# Allegro board SG2042_EVB_V2_0.brd (continued)
## Routing (per net, layer and track width the routed paths; a pad name or vN(x,y) marks a point on that pad's centre or on a via; arc(x,y) is an arc through that point) (continued)
GND_EARTH: length 26.9
  GND04 w0.254: J9.14 7.33,243.4 ; J9.14 5.65,241.72 ; J9.14 9.01,241.72 ; J9.14 7.33,240.05 ; 7.33,223.8 J9.13 ; J9.13 5.65,225.48 ; J9.13 9.01,225.48 ; J9.13 7.33,227.15
  GND13 w0.254: J9.14 7.33,243.4 ; J9.14 7.33,240.05 ; J9.14 5.65,241.72 ; J9.14 9.01,241.72 ; 7.33,223.8 J9.13 ; J9.13 5.65,225.48 ; J9.13 9.01,225.48 ; J9.13 7.33,227.15
  vias: v1(0.53,244.43) v1(0.53,243.16) v1(0.53,241.89) v1(0.53,240.62) v1(0.53,239.35) v1(0.53,238.08) v1(0.53,236.81) v1(0.53,235.54) v1(0.53,234.27) v1(0.53,233) v1(0.53,231.73) v1(0.53,230.46) v1(0.53,229.19) v1(0.53,227.92) v1(0.53,226.65) v1(0.53,225.38) v1(0.53,224.11) v1(7.34,248.16) v1(8.76,248.16) v1(11.15,248.16) v1(12.57,248.16) v1(13.31,224.28) v1(14.96,248.16) v1(15.11,226.09) v1(16.38,248.16) v1(16.92,227.89) v1(18.72,229.69) v1(18.77,248.16) v1(20.19,248.16) v1(20.52,231.5) v1(22.33,233.3) v1(24.13,245.26) v1(24.13,242.72) v1(24.13,235.1)
P5V_USB_REAR1: length 4
  TOP w0.254: 20.19,219.63 C5928.1 19.76,220.07
  ART14 w0.254: CON1100.10 14.63,218.13 ; CON1100.10 15.41,217.35 ; CON1100.10 13.85,217.35 ; CON1100.10 14.63,216.57
  vias: v1(19.76,221.06) v1(19.76,220.5) v1(20.32,221.06) v1(20.32,220.5)
P5V_USB_REAR2: length 4
  TOP w0.254: 19.76,224.36 C5933.1 20.19,223.93
  ART03 w0.254: 11.43,216.57 CON1100.1 ; CON1100.1 12.21,217.35 ; CON1100.1 11.43,218.13 ; CON1100.1 10.65,217.35
  vias: v1(19.76,225.35) v1(19.76,224.79) v1(20.32,225.35) v1(20.32,224.79)
P5V_USB_REAR3: length 4
  TOP w0.254: 19.76,202.16 C6042.1 20.19,201.73
  ART14 w0.254: CON1101.10 15.41,199.45 ; CON1101.10 13.85,199.45 ; CON1101.10 14.63,200.23 ; CON1101.10 14.63,198.67
  vias: v1(19.76,203.15) v1(19.76,202.59) v1(20.32,203.15) v1(20.32,202.59)
P5V_USB_REAR4: length 4
  TOP w0.254: 19.76,206.45 C6048.1 20.19,206.02
  ART03 w0.254: 10.65,199.45 CON1101.1 ; CON1101.1 12.21,199.45 ; CON1101.1 11.43,200.23 ; CON1101.1 11.43,198.67
  vias: v1(19.76,207.44) v1(19.76,206.88) v1(20.32,207.44) v1(20.32,206.88)
VBAT: length 4.3
  TOP w0.559: BT2000.1 U2001.3
VBUS2: length 4.6
  TOP w0.254: C1671.1 11.94,159.08 ; C1671.1 12.37,158.65 ; C1671.1 C1670.1 ; 12.85,159.49 U805.7 13.53,159.18 ; C1670.1 12.37,157.78 ; C1670.1 11.94,157.35 ; 14.2,158.51 U805.8 14.5,157.83
VCC33IN4: length 2.6
  TOP w0.254: U3237.3 v1(218.14,72.9) 217.6,72.9 R12553.2
  BOTTOM w0.381: C5838.1 218.14,72.9 v1(218.14,72.9)
VCC_SD: length 14.9
  TOP w0.254: C531.2 C532.2 C533.2 C534.2 C535.2 15.96,280.6 J8.4 ; C531.2 19.46,280.26 20.04,279.68 FB2.1 19.79,279.1 19.35,279.1 18.95,278.69 R48.1 ; C531.2 R45.1 20.35,283.64 R2127.1
VCCS: length 3.5
  TOP w0.203: U202.43 204.11,296.14
  TOP w0.254: 204.11,296.14 205.05,297.08 C3372.2 R2536.1
VDD_1V05: length 13.4
  TOP w0.254: v1(225.27,143.92) C5668.1 R12488.2 ; 214.22,145.39 R12486.1 213.79,144.96
  ART14 w0.203: v1(215.7,144.53) 217.2,146.02 219.99,146.02 222.1,143.92 v1(225.27,143.92)
  vias: v1(34.42,147.42) v1(34.98,147.42) v1(214.63,144.53) v1(215.16,144.53) v1(215.16,143.99) v1(215.7,143.99) v1(228.42,158.39) v1(228.42,157.84)
VDD_1V05_ASM: length 24.1
  TOP w0.254: v1(180.8,66.34) C5986.2 180.82,66.98 R12666.2
  ART05 w0.203: v1(180.8,66.34) 179.93,67.21 168.88,67.21 165.18,70.92 165.18,73.76 164.72,74.22 164.31,74.22 163.96,73.86 v1(163.96,73.23)
VDD_1V25: length 14.9
  TOP w0.254: R12674.2 C5999.1 v1(211.66,77.11) ; 210.21,66.04 R12672.1 210.64,65.61
  ART14 w0.203: v1(211.66,77.11) 209.52,74.98 209.52,67.28 210.34,66.47 v1(211.05,66.47)
VDD_2V5_ASM: length 13.4
  TOP w0.254: 131.85,82.6 R2582.1 132.28,83.03 ; R2584.2 C3510.1 v1(120.78,84.07)
  ART14 w0.203: v1(120.78,84.07) 123.95,84.07 126.06,81.97 128.85,81.97 v1(130.35,83.46)
  vias: v1(130.35,84) v1(130.89,84) v1(130.89,83.46) v1(131.42,84) v1(131.42,83.46)
VDD_3V3: length 383.9
  TOP w0.203: v1(204.88,296.21) 204.4,295.74 U202.42
  TOP w0.254: U2006.19 v1(214.44,123.9) ; R12738.2 v1(224.46,295.94) ; v1(224.74,126.9) C3283.2 223.28,126.29 223.03,126.03 U12.19 ; R12972.2 199.52,99.49 ; 199.52,99.49 R12963.1 ; 199.52,99.49 R12967.2 ; R12963.1 202.32,99.49 ; R12963.1 R12962.1 ; U3253.21 v1(114.58,69.22) ; v1(201.55,101.65) C6190.1 202.32,101.49 U3274.3 202.32,99.49 ; 40.49,227.71 40.03,227.71 ; 40.49,227.71 40.49,228.17 ; 40.49,227.71 40.95,227.71 ; U2003.19 42.23,249.91 42.48,250.16 C3287.2 v1(43.94,250.77) ; R12974.2 R12954.2 v1(181.03,113.08) ; R1306.2 R443.1 191.26,230.3 191.01,230.05 191.01,228.88 ; U3253.22 114.08,69.16 v1(114.02,69.22) ; R1305.2 R655.1 41.88,230.3 41.63,230.05 41.63,228.88 ; R12697.2 v1(111.73,71.25) ; v1(205.56,240.41) C3285.2 207.02,241.02 207.27,241.27 U807.19 ; 189.43,227.71 189.87,227.71 ; 189.87,227.71 190.3,227.71 ; 189.87,227.71 189.87,228.14 ; R12741.2 v1(206.65,12.24) ; U14.19 223.03,107.54 223.28,107.8 C3284.2 v1(224.74,108.41) ; v1(194.89,232.84) C3286.2 194.28,234.3 194.03,234.55 U806.19 ; R12698.2 v1(116.05,71.25) ; R12699.2 v1(115.19,71.25) ; R12744.2 v1(184.86,12.24) ; v1(43.94,236.6) C3289.1 42.48,235.99 42.23,235.74 U814.19 ; R12724.1 v1(226.87,98.5) ; 41.47,227.84 U56.10 41.82,228.42 ; R12560.1 v1(237.06,98.5) ; 191.2,228.42 U47.10 190.85,227.84 ; 202.32,99.49 U3274.6 ; R12571.1 v1(165.1,42.32) ; U2018.19 v1(214.44,105.41) ; R12929.2 v1(43.81,142.8) ; R12916.2 219.1,201.52 C6160.2 v1(219.74,201.5) ; R12975.2 v1(187.83,78.51) ; R12998.2 v1(192.91,120.7)
  TOP w0.381: C6213.1 199.21,80.16 198.83,79.78 U3275.7 ; C6213.1 v1(199.21,81.66) ; C6213.1 U3275.8 ; v1(198.75,120.62) C6233.2 C6234.2 196.36,120.02 X9.4 ; C3376.1 v1(204.88,296.21) ; R2545.1 v1(193.65,296.44)
  ART03 w0.381: v1(206.65,12.24) 207.34,12.93 207.34,50.77 214.88,58.32 v1(214.88,68.99) v1(214.88,69.55)
  ART03 w0.762: v1(214.45,187.66) 230.53,203.73 230.53,263.09 229.72,263.91 229.72,266.7 227.33,269.09 227.33,284.61 224.46,287.48 v1(224.46,295.94)
  ART05 w0.254: 228.3,103.83 J14.2 ; J14.2 227.35,104.78 ; J14.2 229.24,104.78 ; J14.2 228.3,105.72 ; 236.3,103.83 J17.2 ; J17.2 236.3,105.72 ; J17.2 235.36,104.78 ; J17.2 237.24,104.78
  ART05 w0.381: v1(206.65,12.24) 206.1,11.68 204.09,11.68 203.53,12.24 v1(184.86,12.24) ; v1(214.44,123.9) 224.31,123.9
  ART14 w0.203: v1(214.45,186.54) 215.72,186.54 216.1,186.92 216.1,187.48 220.62,192 220.62,201.9 220.24,202.29 218.64,202.29 218.41,202.06 218.41,201.63 218.54,201.5 v1(219.74,201.5)
  ART14 w0.381: v1(194.89,232.84) 195.55,232.18 201.52,232.18 204.9,235.56 204.9,239.75 v1(205.56,240.41)
  BOTTOM w0.254: R12680.2 R12679.2 R12682.2 R12681.2 R12684.2 R12683.2 v1(110.85,63.58) ; v1(117.81,62.71) R12690.2 R12689.2 R12692.2 R12691.2 R12694.2 R12693.2 ; v1(43.94,250.77) 43.94,250.27 R2190.2 R2191.2 R2192.2 R2193.2 R2194.2 R2195.2 R2196.2 R2197.2 ; R12686.2 R12685.2 R12688.2 R12687.2 v1(116.23,62.87)
  BOTTOM w0.381: R12971.2 v1(186.69,106.83) ; FB2044.2 v1(32.11,157.66) ; FB3.2 v1(35.56,271.53) ; v1(193.65,296.44) 197.18,292.91 202.84,292.91 203.61,293.67 203.61,294.94 v1(204.88,296.21) 205.61,295.48 224,295.48 v1(224.46,295.94) ; FB12.1 v1(103.68,106.22)
  vias: v1(39.29,228.57) v1(39.85,228.57) v1(159.59,77.04) v1(159.59,76.48) v1(165.51,50.9) v1(166.07,50.9) v1(166.07,50.34) v1(188.67,228.57) v1(189.23,228.57) v1(202.44,94.49) v1(202.44,93.93) v1(213.33,187.66) v1(213.33,187.1) v1(213.33,186.54) v1(213.89,187.66) v1(213.89,187.1) v1(213.89,186.54) v1(214.45,187.1) v1(225.83,168.53) v1(225.83,167.97)
VDD_5V: length 166.7
  TOP w0.229: 225.14,96.16 U3254.5 224.69,95.51 ; U3254.3 226.14,96.16 ; U3254.4 225.64,96.16
  TOP w0.254: R12734.2 v1(183.21,12.24) ; R12798.1 C6039.1 ; 210.73,73.01 U3252.1 ; C3162.1 224.89,265.51 ; C3162.1 224.46,265.07 ; C3162.1 224.89,264.64 ; R12859.1 v1(36.68,192.1) ; 212.98,101.22 C6217.1 ; C6217.1 212.55,101.65 ; C6217.1 212.98,102.08 ; U19.1 122.36,159.58 ; R12614.1 C5924.1 ; U2027.1 124.88,83.15 ; R12799.1 C6040.1 ; 165.99,107.67 C6229.1 ; C6229.1 166.42,108.1 ; C6229.1 165.56,108.1 ; U816.1 224.6,264.32 ; R12731.2 v1(205,12.24) ; 191.01,183.01 C6110.1 191.47,183.46 ; C5998.1 209.55,73.3 ; C5998.1 210.41,73.3 ; C5998.1 209.98,72.87 ; R307.2 v1(119.41,155.45) ; R354.2 v1(228.73,254.74) ; 124.59,82.83 C3509.1 ; C3509.1 124.59,81.97 ; C3509.1 125.02,82.4 ; R13020.1 C6240.1 ; 188.16,71.93 C5985.1 187.73,72.36 ; 225.58,97.08 C6014.1 226.01,96.65 ; R12485.2 v1(225.3,141.88) ; C1168.1 123.55,159.28 ; C1168.1 122.68,159.28 ; C1168.1 123.11,159.72 ; R12727.2 v1(226.11,295.94) ; v1(203.58,96.42) C6191.1 202.81,96.57 U3274.7 202.81,98.27 203.12,98.58 R12965.1 R12964.1 ; R12984.2 v1(176.28,82.65) ; R2198.1 224.94,226.31 225.2,226.57 225.2,229.36 224.94,229.62 U2004.5 ; 224.46,258.44 C1232.1 ; C1232.1 224.89,258.88 ; C1232.1 224.89,258.01 ; R12662.2 183.41,70.51 ; R1349.2 v1(228.73,261.37) ; 213.97,227.3 C1191.1 214.4,227.74 ; U3277.1 180.41,79.69 ; R674.2 113.64,145.29 ; R13017.1 C6236.1 ; U31.1 224.6,257.69 ; R341.2 v1(125.6,149.99) ; C1218.1 129.74,153.82 ; C1218.1 128.88,153.82 ; C1218.1 129.31,154.25 ; 43.18,183.46 C6150.1 42.72,183.01 ; 180.11,79.38 C6223.1 ; C6223.1 180.11,78.51 ; C6223.1 180.54,78.94 ; R12978.2 v1(216.81,97.94) ; R12834.1 C6100.1 ; R12925.2 v1(45.47,142.8) ; 221.03,145.59 C5667.1 ; C5667.1 221.46,145.16 ; C5667.1 221.46,146.03 ; 214.15,208.86 C6159.1 213.72,208.43 ; U3276.1 212.69,100.9 ; R12846.1 v1(186.18,192.1) ; R12615.1 C5925.1 ; R2580.2 v1(120.75,86.11) ; 44.55,182.58 R12865.1 ; R12912.2 215.57,204.11 ; R13023.1 C6244.1 ; 192.84,182.58 R12839.1 ; U28.1 128.56,154.12 ; v1(213.69,77.14) R12671.2 ; R12990.2 v1(169.7,111.94) ; U3234.1 221.17,144.84 ; 115.49,140.97 C1561.1 115.06,140.54 ; U3278.1 166.74,107.81
  TOP w0.381: U3261.5 229.04,143.34 C6100.1 v1(229.64,143.33) ; v1(31.65,181.48) C6240.1 31.64,180.88 U3280.5 ; U3244.5 28.62,225.49 C5925.1 v1(28.63,226.09) ; v1(31.65,185.78) C6244.1 31.64,185.18 U3281.5 ; U3279.5 31.64,189.47 C6236.1 v1(31.65,190.07) ; U2001.8 C2010.1 v1(18.69,70.43) ; v1(28.63,203.89) C6039.1 28.62,203.29 U3256.5 ; U3257.5 28.62,207.58 C6040.1 v1(28.63,208.18) ; v1(28.63,221.79) C5924.1 28.62,221.19 U3243.5
  ART03 w0.406: v1(18.69,70.43) 18.69,112.67 20.7,114.68 20.7,118.03 v1(45.47,142.8)
  vias: v1(43.99,185.88) v1(43.99,185.34) v1(43.99,183.49) v1(43.99,182.96) v1(44.53,185.88) v1(44.53,185.34) v1(44.53,183.49) v1(44.53,182.96) v1(86.87,298.27) v1(86.87,297.66) v1(87.48,298.27) v1(97.1,298.27) v1(97.1,297.66) v1(97.71,298.27) v1(107.34,298.27) v1(107.34,297.66) v1(107.67,142.8) v1(107.95,298.27) v1(108.28,143.41) v1(108.28,142.8) v1(113.67,141.1) v1(113.67,140.54) v1(114.22,141.1) v1(114.22,140.54) v1(117.58,298.27) v1(117.58,297.66) v1(118.19,298.27) v1(124.03,160.55) v1(124.84,160.55) v1(125.86,81.48) v1(125.86,80.67) v1(127.81,298.27) v1(127.81,297.66) v1(128.42,298.27) v1(130.23,155.09) v1(131.04,155.09) v1(138.05,298.27) v1(138.05,297.66) v1(138.66,298.27) v1(164.26,106.83) v1(165.07,106.83) v1(181.38,78.03) v1(181.38,77.22) v1(187.6,71.09) v1(187.6,70.54) v1(188.16,71.09) v1(188.16,70.54) v1(192.28,183.49) v1(192.28,182.96) v1(192.81,183.49) v1(192.81,182.96) v1(193.5,185.88) v1(193.5,185.34) v1(194.03,185.88) v1(194.03,185.34) v1(208.25,72.03) v1(209.07,72.03) v1(211.71,103.38) v1(211.71,102.57) v1(214.63,226.87) v1(214.63,226.31) v1(214.63,225.76) v1(214.99,208.86) v1(214.99,208.31) v1(215.19,226.87) v1(215.19,226.31) v1(215.19,225.76) v1(215.19,225.2) v1(215.54,208.86) v1(215.54,208.31) v1(215.75,226.87) v1(215.75,226.31) v1(215.75,225.76) v1(215.75,225.2) v1(216.31,226.87) v1(216.31,226.31) v1(216.31,225.76) v1(216.31,225.2) v1(220.19,147.32) v1(220.19,146.51) v1(223.62,266.8) v1(223.62,265.99) v1(223.62,260.17) v1(223.62,259.36) v1(224.66,97.1) v1(224.66,96.55) v1(225.22,97.1) v1(225.22,96.55)
VDD_12V: length 38.4
  TOP w0.254: J3.1 52.05,284.38 ; J3.1 51.39,285.04 ; J3.1 50.73,284.38 ; J3.145 55.85,284.38 ; J3.145 55.19,285.04 ; J3.145 54.53,284.38 ; v1(133.31,297.9) 133.04,297.9 132.61,298.33 U3266.27 ; 167.31,285.04 J2.1 167.97,284.38 ; J4.1 60.79,285.04 ; J4.1 60.13,284.38 ; J4.1 61.45,284.38 ; v1(102.6,297.9) 102.33,297.9 101.9,298.33 U3263.27 ; U3265.27 122.37,298.33 122.8,297.9 v1(123.07,297.9) ; 176.05,284.38 J1.1 ; J1.1 177.37,284.38 ; J1.1 176.71,285.04 ; U3262.27 91.66,298.33 92.09,297.9 v1(92.36,297.9) ; U3268.27 103.49,142.74 103.05,143.17 v1(102.79,143.17) ; C40.1 174.7,284.58 ; C40.1 175.13,284.15 ; C40.1 174.27,284.15 ; J1.145 180.51,285.04 ; J1.145 181.17,284.38 ; J1.145 179.85,284.38 ; 217.75,235.71 C1186.1 218.19,235.28 ; J2.145 171.77,284.38 ; J2.145 171.11,285.04 ; J2.145 170.45,284.38 ; U3267.27 142.84,298.33 143.27,297.9 v1(143.54,297.9) ; 49.12,284.15 C60.1 ; C60.1 49.56,284.58 ; C60.1 49.99,284.15 ; C20.1 183.95,284.58 ; C20.1 183.51,284.15 ; C20.1 184.38,284.15 ; R2393.1 224.54,236.7 225.15,236.09 U2005.5 ; 63.93,284.38 J4.145 64.59,285.04 ; v1(112.83,297.9) 112.57,297.9 112.13,298.33 U3264.27 ; C80.1 58.78,284.58 ; C80.1 58.34,284.15 ; C80.1 59.21,284.15
  TOP w0.381: R2538.2 v1(191.87,293.32)
  vias: v1(48.9,285.42) v1(49.3,285.83) v1(91.7,298.25) v1(91.7,297.54) v1(93.02,298.25) v1(93.02,297.54) v1(93.85,299.57) v1(93.85,299.01) v1(94.41,299.57) v1(94.41,299.01) v1(94.41,298.45) v1(94.41,297.89) v1(100.74,143.18) v1(100.74,142.62) v1(100.74,142.06) v1(100.74,141.5) v1(101.3,142.06) v1(101.3,141.5) v1(101.94,298.25) v1(101.94,297.54) v1(102.13,143.53) v1(102.13,142.82) v1(103.26,298.25) v1(103.26,297.54) v1(103.45,143.53) v1(103.45,142.82) v1(104.09,299.57) v1(104.09,299.01) v1(104.65,299.57) v1(104.65,299.01) v1(104.65,298.45) v1(104.65,297.89) v1(112.17,298.25) v1(112.17,297.54) v1(113.49,298.25) v1(113.49,297.54) v1(114.33,299.57) v1(114.33,299.01) v1(114.88,299.57) v1(114.88,299.01) v1(114.88,298.45) v1(114.88,297.89) v1(122.41,298.25) v1(122.41,297.54) v1(123.73,298.25) v1(123.73,297.54) v1(124.56,299.57) v1(124.56,299.01) v1(125.12,299.57) v1(125.12,299.01) v1(125.12,298.45) v1(125.12,297.89) v1(132.64,298.25) v1(132.64,297.54) v1(133.97,298.25) v1(133.97,297.54) v1(134.8,299.57) v1(134.8,299.01) v1(135.36,299.57) v1(135.36,299.01) v1(135.36,298.45) v1(135.36,297.89) v1(142.88,298.25) v1(142.88,297.54) v1(144.2,298.25) v1(144.2,297.54) v1(145.03,299.57) v1(145.03,299.01) v1(145.59,299.57) v1(145.59,299.01) v1(145.59,298.45) v1(145.59,297.89) v1(183.16,284.76) v1(183.16,284.2) v1(183.72,284.76) v1(184.28,284.76) v1(218.03,236.52) v1(218.59,237.08) v1(218.59,236.52) v1(219.15,237.64) v1(219.15,237.08) v1(219.15,236.52) v1(219.71,238.2) v1(219.71,237.64) v1(219.71,237.08) v1(219.71,236.52) v1(220.27,238.76) v1(220.27,238.2) v1(220.27,237.64) v1(220.27,237.08) v1(220.27,236.52)
VDD_HDMI_5V: length 1.3
  TOP w0.254: 22.35,187.91 C6239.1 ; C6239.1 23.22,187.91 ; C6239.1 22.78,188.34
VDD_MCU: length 36.9
  TOP w0.254: U2009.75 132.41,41.64 v1(132.44,41.66) ; R2442.2 v1(135.76,44.7) ; U2009.100 117.72,44.32 v1(117.7,44.35) ; U2009.6 v1(115.01,39.14) ; v1(129.75,26.92) 129.72,26.95 U2009.50 ; R12771.2 v1(129.13,12.17) ; v1(115.01,36.61) 115.04,36.64 U2009.11 ; R2021.1 v1(137.72,25.02) ; R12768.2 v1(118.92,12.17) ; R12760.2 v1(113.61,11.3) ; v1(118.75,26.92) 118.72,26.95 U2009.28 ; U11.1 132.83,22.42 C584.2 v1(132.54,21.51) ; R12769.2 v1(122.33,12.17) ; R12770.2 v1(125.73,12.17) ; R12761.2 v1(106.81,11.3) ; R2440.2 v1(113.13,37.34) ; R12763.2 v1(103.4,11.3) ; R12762.2 v1(110.21,11.3) ; 127.08,48.64 v1(126.47,48.64)
  BOTTOM w0.254: R12677.1 v1(134.34,39.27) ; 117.12,43.71 C3253.2 117.58,44.23 v1(117.7,44.35) 117.58,44.47 C3252.2 117.12,44.96 ; R2037.1 v1(118.59,30.86) ; v1(121.82,25.02) R12746.2 R12750.2 R12754.2 R12758.2 ; R2341.2 v1(119.86,42.29) ; C3254.2 132.31,41.78 v1(132.44,41.66) 132.56,41.78 C3255.2 ; C3258.2 118.87,27.05 v1(118.75,26.92) 118.87,26.8 C3259.2 ; v1(115.01,39.14) 115.02,39.14 C3261.2 ; R2094.1 R2093.1 v1(120.98,46.25) ; R2535.1 R2556.1 v1(134.34,27.69) ; C3256.2 129.87,27.05 v1(129.75,26.92) 129.87,26.8 C3257.2 130.2,25.98 R483.1 R484.1 ; R2491.1 v1(133.73,30.89) ; R2342.2 v1(124.08,28.98) ; C3260.2 115.15,36.47 v1(115.01,36.61) ; R2340.2 v1(117.07,34.24)
  BOTTOM w0.381: TP34.1 v1(137.72,25.02) ; FB2015.1 v1(116.48,44.2) ; FB2014.1 v1(117.5,32.92)
VDD_PCIE0_12V: length 8.1
  TOP w0.254: 47.7,74.75 C3315.2 ; C3315.2 47.27,75.18 ; C3315.2 47.7,75.62
  TOP w0.686: J2046.B2 46.6,76.62 ; J2046.A3 47.6,86.54 ; J2046.B3 47.6,76.62 ; J2046.B1 45.6,76.62 ; J2046.A2 46.6,86.54
  vias: v1(45.97,88.39) v1(45.97,87.83) v1(45.97,75.74) v1(45.97,75.18) v1(46.53,88.39) v1(46.53,87.83) v1(46.53,75.74) v1(46.53,75.18) v1(47.09,88.39) v1(47.09,87.83) v1(47.09,75.74) v1(47.09,75.18)
VDD_PCIE1_12V: length 8.1
  TOP w0.254: C3308.2 47.7,116.76 ; C3308.2 47.7,115.9 ; C3308.2 47.27,116.33
  TOP w0.686: J1104.B3 47.6,117.26 ; J1104.B2 46.6,117.26 ; J1104.A3 47.6,127.18 ; J1104.A2 46.6,127.18 ; J1104.B1 45.6,117.26
  vias: v1(45.97,128.91) v1(45.97,128.35) v1(45.97,116.89) v1(45.97,116.33) v1(46.53,128.91) v1(46.53,128.35) v1(46.53,116.89) v1(46.53,116.33) v1(47.09,128.91) v1(47.09,128.35) v1(47.09,116.89) v1(47.09,116.33)
VDD_PCIE_C_0V8:
  vias: v1(104.25,203.55) v1(105.25,204.55) v1(106.25,203.55) v1(107.25,204.55) v1(108.25,203.55) v1(109.25,204.55) v1(110.25,203.55) v1(111.25,204.55) v1(112.25,203.55) v1(113.25,204.55) v1(114.25,203.55) v1(114.35,170.74) v1(114.91,170.74) v1(115.25,204.55) v1(115.47,170.74) v1(116.03,170.74) v1(116.25,203.55) v1(116.59,170.74) v1(117.14,170.74) v1(117.25,204.55) v1(118.25,203.55) v1(119.25,204.55) v1(120.25,203.55) v1(121.25,204.55) v1(122.25,203.55) v1(123.25,204.55) v1(124.25,203.55) v1(125.25,204.55) v1(126.25,203.55) v1(127.25,204.55) v1(128.25,203.55) v1(129.25,204.55) v1(130.25,203.55)
VDD_PCIE_D_0V8: length 5.7
  TOP w0.381: v1(112.25,205.55) U1.BC25 v1(114.25,205.55) U1.BC27 v1(116.25,205.55)
  vias: v1(104.25,205.55) v1(106.25,205.55) v1(108.25,205.55) v1(109.25,208.55) v1(109.25,206.55) v1(110.25,207.55) v1(110.25,205.55) v1(110.24,171.3) v1(110.79,171.3) v1(110.79,170.74) v1(111.25,208.55) v1(111.25,206.55) v1(111.35,171.3) v1(111.35,170.74) v1(111.91,171.3) v1(111.91,170.74) v1(112.47,171.3) v1(112.47,170.74) v1(117.25,206.55) v1(118.25,205.55) v1(119.25,206.55) v1(120.25,207.55) v1(120.25,205.55) v1(121.25,208.55) v1(121.25,206.55) v1(122.25,207.55) v1(122.25,205.55) v1(123.25,208.55) v1(123.25,206.55) v1(124.25,207.55) v1(124.25,205.55) v1(125.25,206.55) v1(126.25,205.55) v1(128.25,205.55) v1(130.25,205.55)
VDD_PCIE_H_1V8: length 12.5
  TOP w0.254: R344.2 C1220.1 v1(127.64,150.01)
  ART14 w0.203: v1(128.24,159.59) 129.74,158.09 129.74,155.3 127.64,153.19 v1(127.64,150.01)
  vias: v1(103.25,202.55) v1(105.25,202.55) v1(107.25,202.55) v1(109.25,202.55) v1(111.25,202.55) v1(113.25,202.55) v1(115.25,202.55) v1(117.25,202.55) v1(119.25,202.55) v1(121.25,202.55) v1(123.25,202.55) v1(125.25,202.55) v1(127.25,202.55) v1(127.71,160.66) v1(127.71,160.12) v1(127.71,159.59) v1(128.24,160.66) v1(128.24,160.12) v1(129.25,202.55) v1(131.25,202.55)
VDD_PLL_0V8: length 16.8
  TOP w0.254: 120.85,168.66 FB11.1 ; FB11.1 120.42,169.09 ; FB11.1 121.29,169.09 ; 118.82,168.66 FB10.1 119.25,169.09 ; v1(121.44,155.47) C1170.1 R311.2 ; C1172.2 122.78,165.33
  ART14 w0.203: v1(121.44,155.47) 121.44,158.65 123.55,160.76 123.55,163.55 v1(122.05,165.05)
  BOTTOM w0.381: FB7.1 v1(130.75,223.05) ; FB9.1 v1(102.75,223.05)
  vias: v1(121.51,166.12) v1(121.51,165.58) v1(121.51,165.05) v1(122.05,166.12) v1(122.05,165.58)
VDD_SENSE_N: length 51.8
  BOTTOM w0.102: v1(116.25,220.55) 116.86,221.16 116.86,240.59 116.94,240.66 116.94,240.7
  BOTTOM w0.254: 116.94,240.7 116.94,264.74 121.21,269.01 121.21,269.93 R2531.2
VDD_SENSE_P: length 50.6
  BOTTOM w0.102: v1(116.25,221.55) 116.64,221.94 116.64,240.59 116.56,240.66 116.56,240.7
  BOTTOM w0.254: R2533.2 120.8,269.93 120.8,269.14 116.56,264.9 116.56,240.7
VDD_U1_5V: length 1.3
  TOP w0.254: C6243.1 22.78,179.76 ; C6243.1 22.35,179.32 ; C6243.1 23.22,179.32
VDD_U2_5V: length 1.3
  TOP w0.254: C6247.1 22.78,184.05 ; C6247.1 22.35,183.62 ; C6247.1 23.22,183.62
VDDA_MCU: length 3.9
  TOP w0.254: U2009.22 115.27,31.14 v1(115.01,31.39) 115.25,31.64 U2009.21
  BOTTOM w0.381: FB2014.2 C3262.2 v1(115.01,31.39)
VDDC: length 9.4
  TOP w0.254: P_VDDC.1 v1(119.96,271.78) ; U1.AD16 v1(105.14,226.99)
  TOP w0.381: U1.AA41 v1(128.36,228.11) ; U1.AM16 v1(105.14,216.63) ; U1.AD16 v1(105.14,224.4) U1.AF16 ; U1.AE41 v1(128.36,225.52)
  BOTTOM w0.254: R2534.2 v1(119.96,271.78)
  vias: v1(90.04,280.06) v1(90.04,279.5) v1(90.04,278.94) v1(90.04,278.38) v1(90.6,280.06) v1(90.6,279.5) v1(90.6,278.94) v1(90.6,278.38) v1(90.6,277.83) v1(91.16,280.06) v1(91.16,279.5) v1(91.16,278.94) v1(91.16,278.38) v1(91.16,277.83) v1(91.16,277.27) v1(91.72,280.06) v1(91.72,279.5) v1(91.72,278.94) v1(91.72,278.38) v1(91.72,277.83) v1(91.72,277.27) v1(91.72,276.71) v1(92.28,280.06) v1(92.28,279.5) v1(92.28,278.94) v1(92.28,278.38) v1(92.28,277.83) v1(92.28,277.27) v1(92.28,276.71) v1(92.84,280.06) v1(92.84,279.5) v1(92.84,278.94) v1(92.84,278.38) v1(92.84,277.83) v1(92.84,277.27) v1(92.84,276.71) v1(97.56,276.07) v1(97.56,275.51) v1(97.56,274.95) v1(97.56,274.4) v1(97.56,273.84) v1(98.58,273.15) v1(99.14,273.15) v1(99.72,280.06) v1(99.72,279.5) v1(99.72,278.94) v1(99.72,278.38) v1(99.72,277.83) v1(99.69,273.15) v1(100.28,280.06) v1(100.28,279.5) v1(100.28,278.94) v1(100.28,278.38) v1(100.28,277.83) v1(100.84,280.06) v1(100.84,279.5) v1(100.84,278.94) v1(100.84,278.38) v1(100.84,277.83) v1(100.89,270.97) v1(100.89,270.41) v1(100.89,269.85) v1(100.89,269.29) v1(100.89,268.73) v1(101.4,280.06) v1(101.4,279.5) v1(101.4,278.94) v1(101.4,278.38) v1(101.4,277.83) v1(101.9,271.65) v1(101.96,280.06) v1(101.96,279.5) v1(101.96,278.94) v1(101.96,278.38) v1(101.96,277.83) v1(102.51,280.06) v1(102.51,279.5) v1(102.51,278.94) v1(102.51,278.38) v1(102.51,277.83) v1(102.46,271.65) v1(103.02,271.65) v1(103.07,280.06) v1(103.07,279.5) v1(103.07,278.94) v1(103.07,278.38) v1(103.07,277.83) v1(104.25,239.55) v1(104.25,237.55) v1(104.25,235.55) v1(104.25,233.55) v1(104.25,231.55) v1(104.25,229.55) v1(104.25,215.55) v1(104.25,213.55) v1(104.25,211.55) v1(104.25,209.55) v1(104.25,207.55) v1(105.14,232.18) v1(105.14,229.58) v1(105.14,221.81) v1(105.14,219.22) v1(105.14,214.04) v1(105.14,211.45) v1(105.25,238.55) v1(105.25,236.55) v1(105.25,234.55) v1(105.25,208.55) v1(105.25,206.55) v1(105.54,231.82) v1(105.54,229.23) v1(105.54,226.64) v1(105.54,224.05) v1(105.54,221.46) v1(105.54,218.87) v1(105.54,216.27) v1(105.54,213.68) v1(105.54,211.09) v1(106.25,239.55) v1(106.25,237.55) v1(106.25,235.55) v1(106.25,233.55) v1(106.25,231.55) v1(106.25,229.55) v1(106.25,227.55) v1(106.25,225.55) v1(106.25,223.55) v1(106.25,221.55) v1(106.25,219.55) v1(106.25,217.55) v1(106.25,215.55) v1(106.25,213.55) v1(106.25,211.55) v1(106.25,207.55) v1(106.41,232.51) v1(106.77,232.91) v1(107.25,238.55) v1(107.25,236.55) v1(107.25,234.55) v1(107.25,230.55) v1(107.25,228.55) v1(107.25,226.55) v1(107.25,224.55) v1(107.25,222.55) v1(107.25,220.55) v1(107.25,218.55) v1(107.25,216.55) v1(107.25,214.55) v1(107.25,212.55) v1(107.25,210.55) v1(107.25,208.55) v1(107.25,206.55) v1(107.89,209.19) v1(108.25,239.55) v1(108.25,237.55) v1(108.25,235.55) v1(108.25,233.55) v1(108.25,231.55) v1(108.25,229.55) v1(108.25,227.55) v1(108.25,225.55) v1(108.25,223.55) v1(108.25,221.55) v1(108.25,219.55) v1(108.25,217.55) v1(108.25,215.55) v1(108.25,213.55) v1(108.25,211.55) v1(108.24,209.59) v1(108.25,207.55) v1(109.05,232.51) v1(109.25,238.55) v1(109.25,236.55) v1(109.25,234.55) v1(109.25,230.55) v1(109.25,228.55) v1(109.25,226.55) v1(109.25,224.55) v1(109.25,222.55) v1(109.25,220.55) v1(109.25,218.55) v1(109.25,216.55) v1(109.25,214.55) v1(109.25,212.55) v1(109.25,210.55) v1(109.41,232.91) v1(109.96,280.06) v1(109.96,279.5) v1(109.96,278.94) v1(109.96,278.38) v1(109.96,277.83) v1(110.25,239.55) v1(110.25,237.55) v1(110.25,235.55) v1(110.25,233.55) v1(110.25,231.55) v1(110.25,229.55) v1(110.25,227.55) v1(110.25,225.55) v1(110.25,223.55) v1(110.25,221.55) v1(110.25,219.55) v1(110.25,217.55) v1(110.25,215.55) v1(110.25,213.55) v1(110.25,211.55) v1(110.52,280.06) v1(110.52,279.5) v1(110.52,278.94) v1(110.52,278.38) v1(110.52,277.83) v1(110.53,209.19) v1(110.88,209.59) v1(111.07,280.06) v1(111.07,279.5) v1(111.07,278.94) v1(111.07,278.38) v1(111.07,277.83) v1(111.25,238.55) v1(111.25,236.55) v1(111.25,234.55) v1(111.25,230.55) v1(111.25,228.55) v1(111.25,226.55) v1(111.25,224.55) v1(111.25,222.55) v1(111.25,220.55) v1(111.25,218.55) v1(111.25,216.55) v1(111.25,214.55) v1(111.25,212.55) v1(111.25,210.55) v1(111.63,280.06) v1(111.63,279.5) v1(111.63,278.94) v1(111.63,278.38) v1(111.63,277.83) v1(111.7,232.51) v1(112.05,232.91) v1(112.19,280.06) v1(112.19,279.5) v1(112.19,278.94) v1(112.19,278.38) v1(112.19,277.83) v1(112.25,239.55) v1(112.25,237.55) v1(112.25,235.55) v1(112.25,233.55) v1(112.25,231.55) v1(112.25,229.55) v1(112.25,227.55) v1(112.25,225.55) v1(112.25,223.55) v1(112.25,221.55) v1(112.25,219.55) v1(112.25,217.55) v1(112.25,215.55) v1(112.25,213.55) v1(112.25,211.55) v1(112.28,270.28) v1(112.28,269.47) v1(112.28,268.66) v1(112.75,280.06) v1(112.75,279.5) v1(112.75,278.94) v1(112.75,278.38) v1(112.75,277.83) v1(113.09,270.28) v1(113.09,269.47) v1(113.09,268.66) v1(113.25,238.55) v1(113.25,236.55) v1(113.25,234.55) v1(113.25,230.55) v1(113.25,228.55) v1(113.25,226.55) v1(113.25,224.55) v1(113.25,222.55) v1(113.25,220.55) v1(113.25,218.55) v1(113.25,216.55) v1(113.25,214.55) v1(113.25,212.55) v1(113.25,210.55) v1(113.17,209.19) v1(113.31,280.06) v1(113.31,279.5) v1(113.31,278.94) v1(113.31,278.38) v1(113.31,277.83) v1(113.52,209.59) v1(113.91,270.28) v1(113.91,269.47) v1(113.91,268.66) v1(114.25,239.55) v1(114.25,237.55) v1(114.25,235.55) v1(114.25,233.55) v1(114.25,231.55) v1(114.25,229.55) v1(114.25,227.55) v1(114.25,225.55) v1(114.25,223.55) v1(114.25,221.55) v1(114.25,219.55) v1(114.25,217.55) v1(114.25,215.55) v1(114.25,213.55) v1(114.25,211.55) v1(114.34,232.51) v1(114.48,273.15) v1(114.72,270.28) v1(114.72,269.47) v1(114.72,268.66) v1(114.69,232.91) v1(115.04,273.15) v1(115.25,238.55) v1(115.25,236.55) v1(115.25,234.55) v1(115.25,230.55) v1(115.25,228.55) v1(115.25,226.55) v1(115.25,224.55) v1(115.25,222.55) v1(115.25,220.55) v1(115.25,218.55) v1(115.25,216.55) v1(115.25,214.55) v1(115.25,212.55) v1(115.25,210.55) v1(115.53,270.28) v1(115.53,269.47) v1(115.53,268.66) v1(115.6,273.15) v1(115.81,209.19) v1(116.25,239.55) v1(116.25,237.55) v1(116.25,235.55) v1(116.25,233.55) v1(116.25,231.55) v1(116.25,229.55) v1(116.25,227.55) v1(116.25,225.55) v1(116.25,223.55) v1(116.25,219.55) v1(116.25,217.55) v1(116.25,215.55) v1(116.25,213.55) v1(116.25,211.55) v1(116.17,209.59) v1(116.34,270.28) v1(116.34,269.47) v1(116.34,268.66) v1(116.75,276.07) v1(116.75,275.51) v1(116.75,274.95) v1(116.75,274.4) v1(116.75,273.84) v1(117.16,270.28) v1(117.16,269.47) v1(117.16,268.66) v1(117.25,238.55) v1(117.25,236.55) v1(117.25,234.55) v1(117.33,232.51) v1(117.25,230.55) v1(117.25,228.55) v1(117.25,226.55) v1(117.25,224.55) v1(117.25,222.55) v1(117.25,220.55) v1(117.25,218.55) v1(117.25,216.55) v1(117.25,214.55) v1(117.25,212.55) v1(117.25,210.55) v1(117.69,232.91) v1(117.91,273.15) v1(117.97,270.28) v1(117.97,269.47) v1(117.97,268.66) v1(118.25,239.55) v1(118.25,237.55) v1(118.25,235.55) v1(118.25,233.55) v1(118.25,231.55) v1(118.25,229.55) v1(118.25,227.55) v1(118.25,225.55) v1(118.25,223.55) v1(118.25,221.55) v1(118.25,219.55) v1(118.25,217.55) v1(118.25,215.55) v1(118.25,213.55) v1(118.25,211.55) v1(118.47,273.15) v1(118.78,270.28) v1(118.78,269.47) v1(118.78,268.66) v1(118.81,209.19) v1(119.02,273.15) v1(119.16,209.59) v1(119.25,238.55) v1(119.25,236.55) v1(119.25,234.55) v1(119.25,230.55) v1(119.25,228.55) v1(119.25,226.55) v1(119.25,224.55) v1(119.25,222.55) v1(119.25,220.55) v1(119.25,218.55) v1(119.25,216.55) v1(119.25,214.55) v1(119.25,212.55) v1(119.25,210.55) v1(119.6,270.28) v1(119.6,269.47) v1(119.6,268.66) v1(119.98,232.51) v1(120.19,280.06) v1(120.19,279.5) v1(120.19,278.94) v1(120.19,278.38) v1(120.19,277.83) v1(120.25,239.55) v1(120.25,237.55) v1(120.25,235.55) v1(120.25,233.55) v1(120.33,232.91) v1(120.25,231.55) v1(120.25,229.55) v1(120.25,227.55) v1(120.25,225.55) v1(120.25,223.55) v1(120.25,221.55) v1(120.25,219.55) v1(120.25,217.55) v1(120.25,215.55) v1(120.25,213.55) v1(120.25,211.55) v1(120.75,280.06) v1(120.75,279.5) v1(120.75,278.94) v1(120.75,278.38) v1(120.75,277.83) v1(121.31,280.06) v1(121.31,279.5) v1(121.31,278.94) v1(121.31,278.38) v1(121.31,277.83) v1(121.25,238.55) v1(121.25,236.55) v1(121.25,234.55) v1(121.25,230.55) v1(121.25,228.55) v1(121.25,226.55) v1(121.25,224.55) v1(121.25,222.55) v1(121.25,220.55) v1(121.25,218.55) v1(121.25,216.55) v1(121.25,214.55) v1(121.25,212.55) v1(121.25,210.55) v1(121.45,209.19) v1(121.8,209.59) v1(121.87,280.06) v1(121.87,279.5) v1(121.87,278.94) v1(121.87,278.38) v1(121.87,277.83) v1(122.25,239.55) v1(122.25,237.55) v1(122.25,235.55) v1(122.25,233.55) v1(122.25,231.55) v1(122.25,229.55) v1(122.25,227.55) v1(122.25,225.55) v1(122.25,223.55) v1(122.25,221.55) v1(122.25,219.55) v1(122.25,217.55) v1(122.25,215.55) v1(122.25,213.55) v1(122.25,211.55) v1(122.43,280.06) v1(122.43,279.5) v1(122.43,278.94) v1(122.43,278.38) v1(122.43,277.83) v1(122.62,232.51) v1(122.99,280.06) v1(122.99,279.5) v1(122.99,278.94) v1(122.99,278.38) v1(122.99,277.83) v1(122.97,232.91) v1(123.25,238.55) v1(123.25,236.55) v1(123.25,234.55) v1(123.25,230.55) v1(123.25,228.55) v1(123.25,226.55) v1(123.25,224.55) v1(123.25,222.55) v1(123.25,220.55) v1(123.25,218.55) v1(123.25,216.55) v1(123.25,214.55) v1(123.25,212.55) v1(123.25,210.55) v1(123.55,280.06) v1(123.55,279.5) v1(123.55,278.94) v1(123.55,278.38) v1(123.55,277.83) v1(124.09,209.19) v1(124.25,239.55) v1(124.25,237.55) v1(124.25,235.55) v1(124.25,233.55) v1(124.25,231.55) v1(124.25,229.55) v1(124.25,227.55) v1(124.25,225.55) v1(124.25,223.55) v1(124.25,221.55) v1(124.25,219.55) v1(124.25,217.55) v1(124.25,215.55) v1(124.25,213.55) v1(124.25,211.55) v1(124.45,209.59) v1(125.25,238.55) v1(125.25,236.55) v1(125.25,234.55) v1(125.26,232.51) v1(125.25,230.55) v1(125.25,228.55) v1(125.25,226.55) v1(125.25,224.55) v1(125.25,222.55) v1(125.25,220.55) v1(125.25,218.55) v1(125.25,216.55) v1(125.25,214.55) v1(125.25,212.55) v1(125.25,210.55) v1(125.25,208.55) v1(125.61,232.91) v1(126.25,239.55) v1(126.25,237.55) v1(126.25,235.55) v1(126.25,233.55) v1(126.25,231.55) v1(126.25,229.55) v1(126.25,227.55) v1(126.25,225.55) v1(126.25,223.55) v1(126.25,221.55) v1(126.25,219.55) v1(126.25,217.55) v1(126.25,215.55) v1(126.25,213.55) v1(126.25,211.55) v1(126.25,207.55) v1(126.73,209.19) v1(127.09,209.59) v1(127.25,238.55) v1(127.25,236.55) v1(127.25,234.55) v1(127.25,230.55) v1(127.25,228.55) v1(127.25,226.55) v1(127.25,224.55) v1(127.25,222.55) v1(127.25,220.55) v1(127.25,218.55) v1(127.25,216.55) v1(127.25,214.55) v1(127.25,212.55) v1(127.25,210.55) v1(127.25,208.55) v1(127.25,206.55) v1(127.96,231.06) v1(127.96,228.47) v1(127.96,225.88) v1(127.96,223.29) v1(127.96,220.69) v1(127.96,218.1) v1(127.96,215.51) v1(127.96,212.92) v1(127.96,210.33) v1(128.25,239.55) v1(128.25,237.55) v1(128.25,235.55) v1(128.25,233.55) v1(128.25,207.55) v1(128.36,230.7) v1(128.36,222.93) v1(128.36,220.34) v1(128.36,217.75) v1(128.36,215.16) v1(128.36,212.57) v1(128.36,209.98) v1(129.25,238.55) v1(129.25,236.55) v1(129.25,234.55) v1(129.25,232.55) v1(129.25,230.55) v1(129.25,216.55) v1(129.25,214.55) v1(129.25,212.55) v1(129.25,210.55) v1(129.25,208.55) v1(129.25,206.55) v1(130.43,280.06) v1(130.43,279.5) v1(130.43,278.94) v1(130.43,278.38) v1(130.43,277.83) v1(130.99,280.06) v1(130.99,279.5) v1(130.99,278.94) v1(130.99,278.38) v1(130.99,277.83) v1(131.55,280.06) v1(131.55,279.5) v1(131.55,278.94) v1(131.55,278.38) v1(131.55,277.83) v1(132.11,280.06) v1(132.11,279.5) v1(132.11,278.94) v1(132.11,278.38) v1(132.11,277.83) v1(132.61,270.97) v1(132.61,270.41) v1(132.61,269.85) v1(132.61,269.29) v1(132.61,268.73) v1(132.66,280.06) v1(132.66,279.5) v1(132.66,278.94) v1(132.66,278.38) v1(132.66,277.83) v1(133.22,280.06) v1(133.22,279.5) v1(133.22,278.94) v1(133.22,278.38) v1(133.22,277.83) v1(133.78,280.06) v1(133.78,279.5) v1(133.78,278.94) v1(133.78,278.38) v1(133.78,277.83) v1(133.81,273.15) v1(134.37,273.15) v1(134.92,273.15) v1(135.94,276.07) v1(135.94,275.51) v1(135.94,274.95) v1(135.94,274.4) v1(135.94,273.84) v1(140.67,280.06) v1(140.67,279.5) v1(140.67,278.94) v1(140.67,278.38) v1(140.67,277.83) v1(140.67,277.27) v1(140.67,276.71) v1(141.22,280.06) v1(141.22,279.5) v1(141.22,278.94) v1(141.22,278.38) v1(141.22,277.83) v1(141.22,277.27) v1(141.22,276.71) v1(141.78,280.06) v1(141.78,279.5) v1(141.78,278.94) v1(141.78,278.38) v1(141.78,277.83) v1(141.78,277.27) v1(141.78,276.71) v1(142.34,280.06) v1(142.34,279.5) v1(142.34,278.94) v1(142.34,278.38) v1(142.34,277.83) v1(142.34,277.27) v1(142.9,280.06) v1(142.9,279.5) v1(142.9,278.94) v1(142.9,278.38) v1(142.9,277.83) v1(143.46,280.06) v1(143.46,279.5) v1(143.46,278.94) v1(143.46,278.38)